# Altium PCB BLDC-2020.PcbDoc (part 2 of 2) (continued)
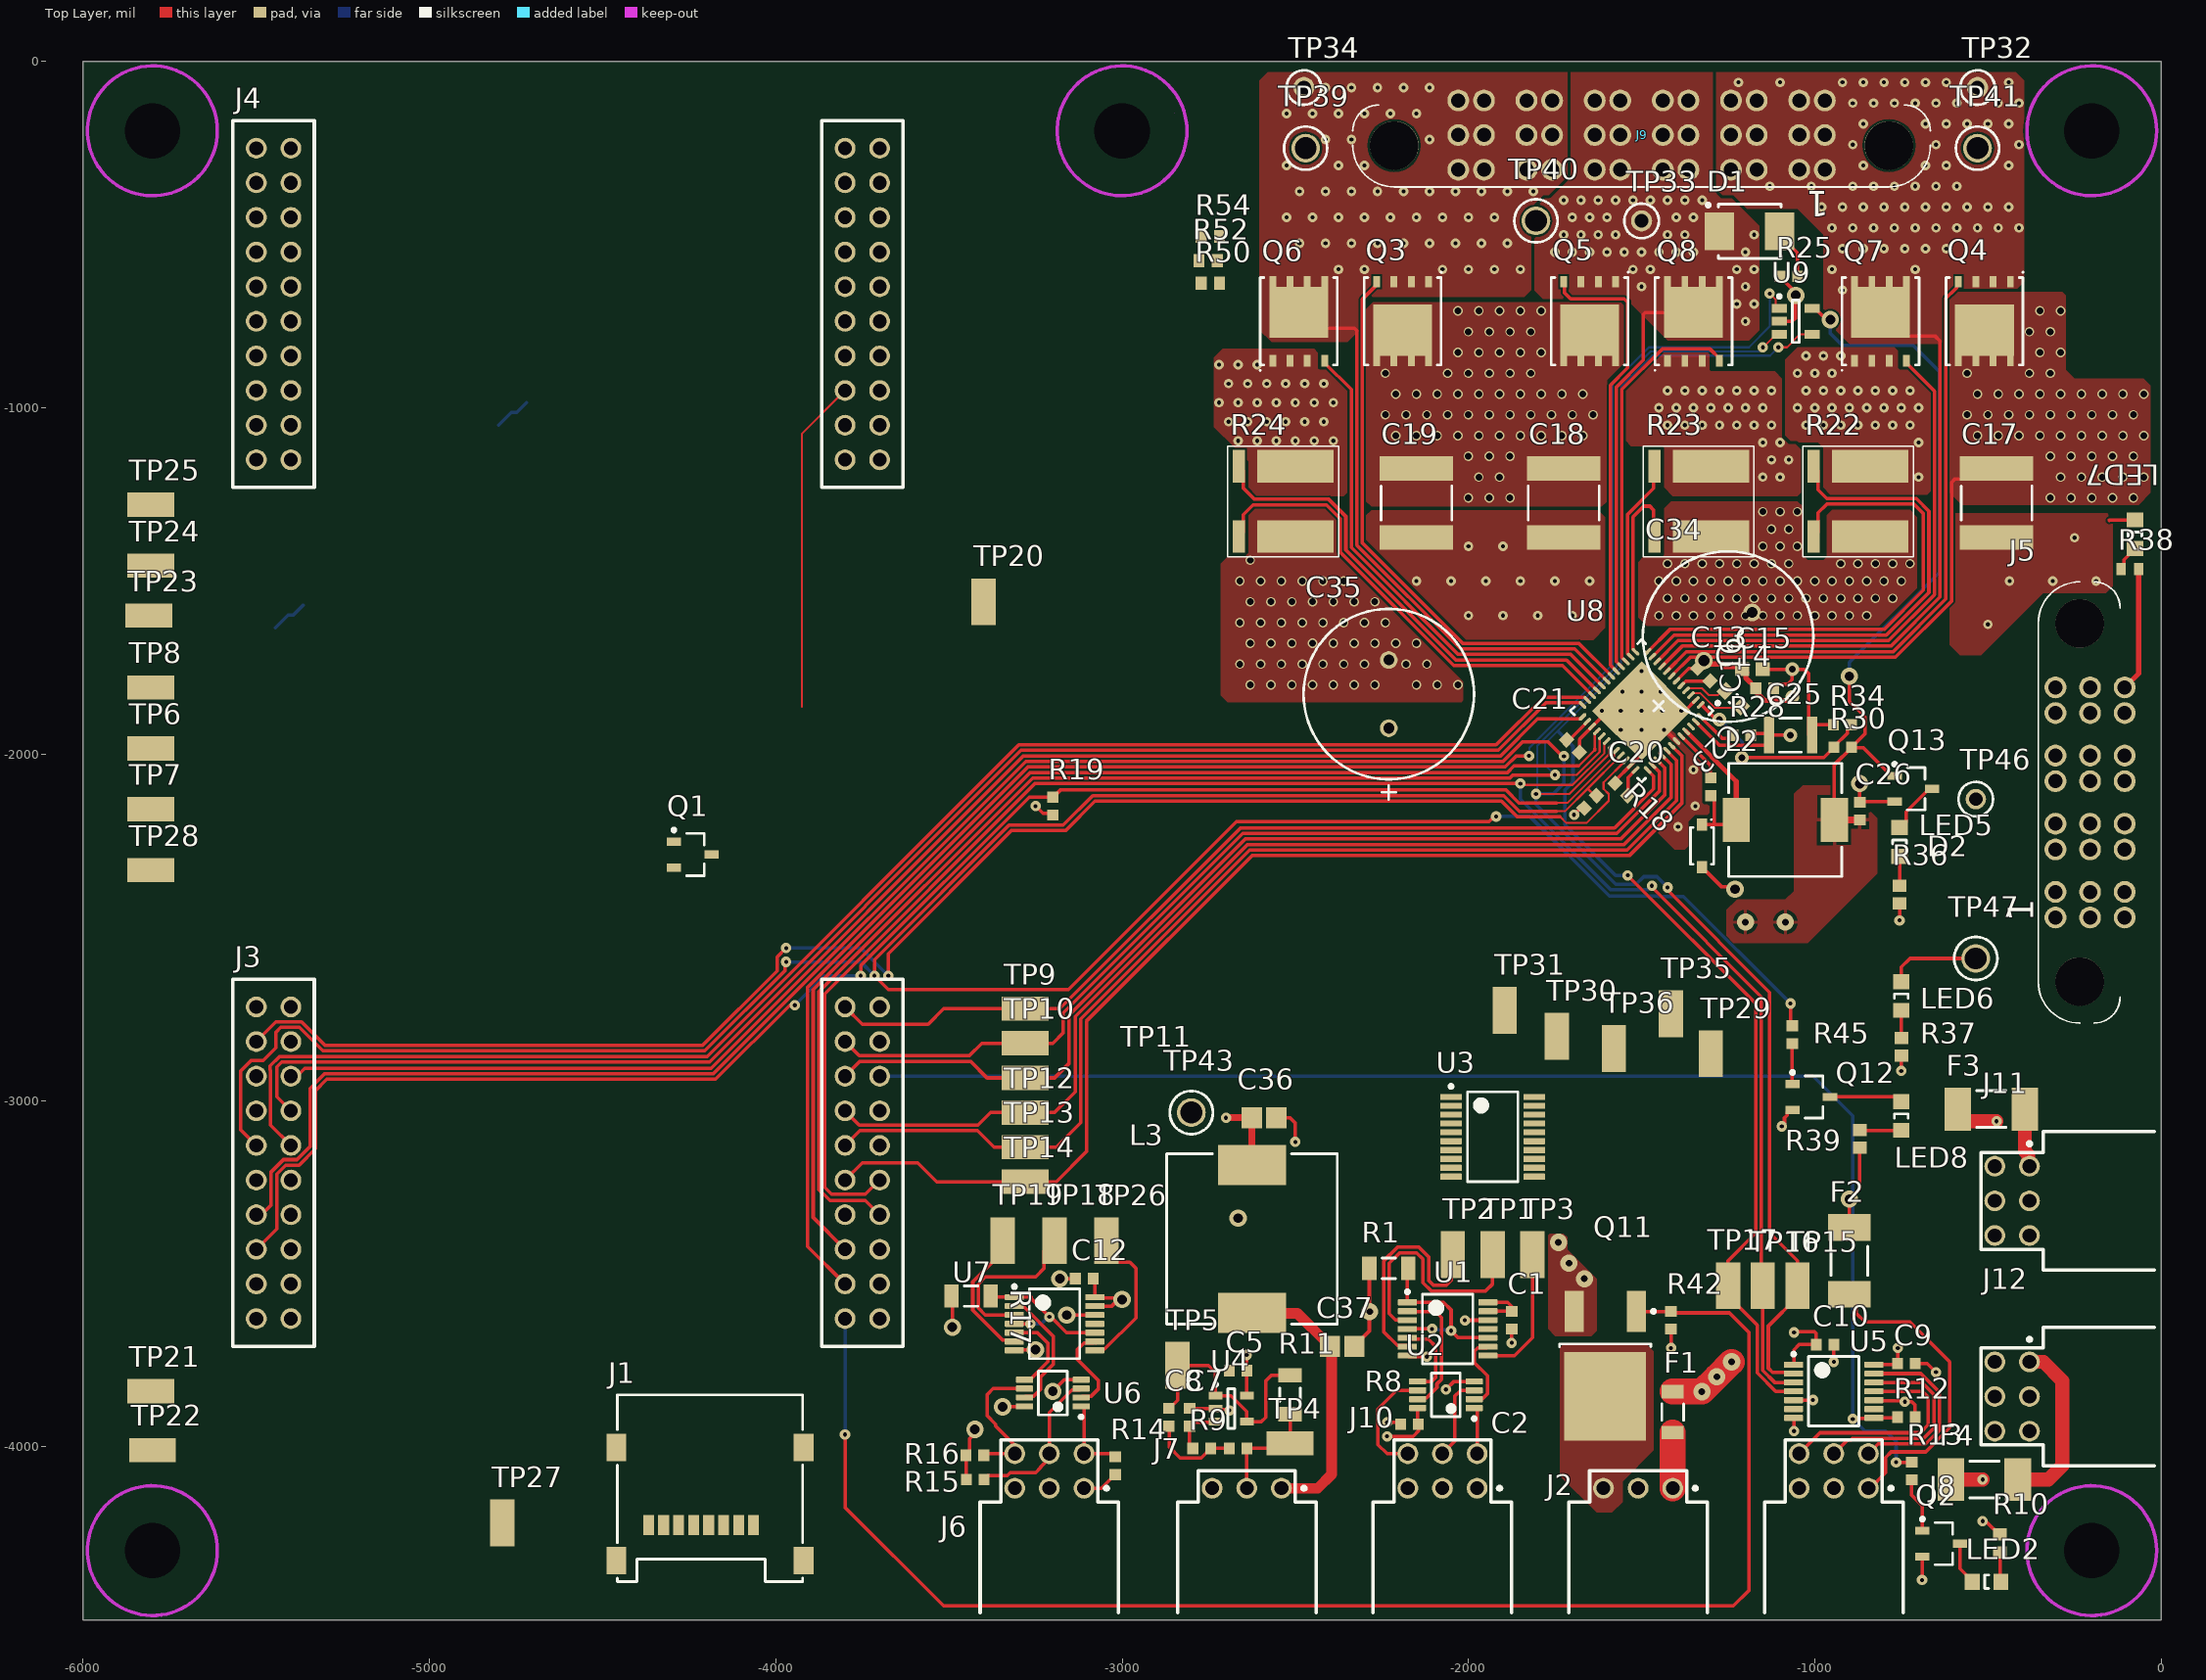
[diagram p0: Top Layer view]
## Nets (pads, with @x,y where several pads share a name; then routed paths per layer and width w, separated by ;. In a path a pad name is that pad's centre, name@x,y a point inside that pad or via, vN(x,y) a via of type N, cw(c..) or ccw(c..) an arc to the next point about the centre after c; other vN are vias at no path point) (continued)
  Top Layer w10: J3.35@-3800,-3230 -3750,-3180 -3590,-3180 -3535,-3235 TP14.1@-3280,-3235 -3190,-3235 -3103,-3148 -3103,-2771.14 -2624.86,-2293 -1535.37,-2293 -1383,-2140.63 -1383,-2005.92 U8.42@-1413,-1975.92
NetC7_2: C7.2 R9.2 U4.3 | length 148.5
  Top Layer w10: R9.2@-2795.59,-4005 -2805,-3995.59 C7.2@-2805,-3940.59 -2794.25,-3929.84 -2732.72,-3929.84 U4.3@-2730.28,-3927.4
NetC8_1: C8.1 R8.2 R9.1 | length 259.4
  Top Layer w10: C8.1@-2865,-3940.59 -2864.02,-3940.59 -2864.02,-4000.98 -2832.27,-4032.73 -2772.14,-4032.73 R9.1@-2744.41,-4005 R8.2@-2690.59,-4005
NetC13_2: C13.2 U8.5 | length 79
  Top Layer w10: U8.5@-1385.16,-1801.92 -1385.05,-1801.92 -1371.92,-1788.79 -1312.6,-1788.79 C13.2@-1311.91,-1788.09
NetC14_1: C14.1 U8.3 | length 152.6
  Top Layer w6: U8.3@-1357.33,-1829.76 -1351.06,-1823.5 -1331.38,-1823.5 -1288.94,-1865.93 -1226.85,-1865.93 C14.1@-1225.46,-1864.54
NetC14_2: C14.2 U8.4 | length 116.4
  Top Layer w6: U8.4@-1371.25,-1815.84 -1364.98,-1809.58 -1325.42,-1809.58 -1305,-1830 -1280,-1830 C14.2@-1270,-1820
NetC20_2: C20.2 U8.36 | length 83.8
  Top Layer w10: C20.2@-1540,-2120 -1539.3,-2119.3 -1539.3,-2067.42 U8.36@-1517.4,-2045.51
NetC23_1: C23.1 D2.1 L2.1 U8.45 | length 512.3
  Top Layer w10: D2.1@-1325,-2202.99 -1290,-2202.99 ; C23.1@-1300,-2120 -1290,-2120 -1290,-2202.99 ; L2.1@-1226.73,-2190 -1239.72,-2202.99 -1290,-2202.99
  Top Layer w13: U8.45@-1371.25,-1934.16 -1226.73,-2078.67
  Top Layer w15: L2.1@-1226.73,-2190 -1226.73,-2078.67
NetC23_2: C23.2 U8.44 | length 156.6
  Top Layer w10: U8.44@-1385.16,-1948.08 -1300.98,-2032.26 -1300.98,-2068.82 C23.2@-1300,-2068.82
NetC24_1: C24.1 U10.1
NetC24_2: C24.2 D3.2 L1.1 U10.10
NetC31_2: C31.2 U10.4
NetC32_2: C32.2 R33.2
NetC33_2: C33.2 R33.1 U10.8
NetC37_2: C37.2 J7.1 L3.2 | length 799.2
  Top Layer w30: L3.2@-2625,-3613.58 -2623.58,-3615 -2494.02,-3615 -2400,-3709.02 C37.2@-2400,-3710 -2395,-3715 -2395,-4080 -2435,-4120 J7.1@-2540,-4120
NetD1_2: D1.2 R25.1 | length 151.4
  Top Layer w10: D1.2@-1100.98,-490 -1100.98,-501.5 -1050,-552.48 -1050,-619.41 R25.1@-1049.41,-620
NetF1_1: F1.1 J2.1 | length 160.9
  Top Layer w75: J2.1@-1410,-4120 F1.1@-1410,-3959.06
NetF2_1: F2.1 J8.1 | length 914.8
  Top Layer w10: F2.1@-900,-3560 -880,-3580 -880,-3615 -855,-3640 -725,-3640 -610,-3755 -610,-3945.25 -679.75,-4015 -779.14,-4015 -795,-4030.86 -795,-4075 -840,-4120 J8.1@-845,-4120
NetF3_1: F3.1 J11.1 | length 170.5
  Top Layer w40: F3.1@-393.35,-3025 -393.35,-3147.01 -383.83,-3156.53 -383.83,-3186.17 J11.1@-380,-3190
NetF4_1: F4.1 J12.1 | length 537.7
  Top Layer w40: F4.1@-413.35,-4125 F4.1@-413.35,-4095 -325,-4095 -285,-4055 -285,-3810 -340,-3755 J12.1@-380,-3755
NetJ1_1: J1.1 R7.1
NetJ1_8: J1.8 R6.1
NetJ2_3: J2.3 Q11.4
NetLED1_1: LED1.1 Q1.D
NetLED1_2: LED1.2 R2.1
NetLED2_1: LED2.1 Q2.D | length 124.9
  Top Layer w10: Q2.D@-580.87,-4280 -580.87,-4352.17 -545,-4388.03 LED2.1@-545,-4390
NetLED2_2: LED2.2 R10.1 | length 86.1
  Top Layer w10: R10.1@-465,-4305 -465,-4387.32 LED2.2@-462.32,-4390
NetLED3_1: LED3.1 Q10.2
NetLED3_2: LED3.2 R35.2
NetLED4_1: LED4.1 Q9.6
NetLED4_2: LED4.2 R40.1
NetLED5_1: LED5.1 Q13.D | length 157.7
  Top Layer w10: LED5.1@-755,-2212.32 -753.03,-2212.32 -736.38,-2195.67 -736.38,-2166.65 -669.72,-2100 Q13.D@-660.87,-2100
NetLED5_2: LED5.2 R36.1 | length 85
  Top Layer w10: R36.1@-755,-2380 LED5.2@-755,-2295
NetLED6_2: LED6.2 R37.1 | length 79.4
  Top Layer w10: R37.1@-750,-2819.41 LED6.2@-750,-2740
NetLED7_2: LED7.2 R38.1 | length 75.5
  Top Layer w10: R38.1@-115.59,-1465 -106.81,-1456.22 -106.81,-1438.15 LED7.2@-75,-1406.34
NetLED8_1: LED8.1 Q12.D | length 211.5
  Top Layer w10: Q12.D@-955.87,-2990 -763.66,-2990 LED8.1@-750,-3003.66
NetLED8_2: LED8.2 R39.1 | length 120.6
  Top Layer w10: R39.1@-870,-3085 -868.66,-3086.34 LED8.2@-750,-3086.34
NetLED9_1: LED9.1 R46.1
NetLED9_2: LED9.2 Q9.4
NetQ1_G: Q1.G R3.2
NetQ2_G: Q2.G R13.2 | length 171.6
  Top Layer w10: R13.2@-720,-4095.59 -720,-4140 -690,-4170 -690,-4234.61 -697.99,-4242.6 Q2.G@-689.13,-4242.6
NetQ6_S: Q6.S R24.1
  other v1: -2665,-1095 -2610,-1095 -2555,-1095 -2500,-1095 -2445,-1095 -2390,-1095 -2692.5,-1040 -2637.5,-1040 -2582.5,-1040 -2527.5,-1040 -2472.5,-1040 -2417.5,-1040 -2720,-985 -2665,-985 -2610,-985 -2555,-985 -2500,-985 -2445,-985 -2390,-985 -2692.5,-930 -2637.5,-930 -2582.5,-930 -2527.5,-930 -2472.5,-930 -2417.5,-930 -2720,-875 -2665,-875 -2610,-875
NetQ7_S: Q7.S R22.1
  other v1: -700,-1200 -700,-1100 -1025,-1050 -975,-1050 -925,-1050 -875,-1050 -825,-1050 -775,-1050 -725,-1050 -1050,-1000 -1000,-1000 -950,-1000 -900,-1000 -850,-1000 -800,-1000 -750,-1000 -700,-1000 -1025,-950 -975,-950 -925,-950 -875,-950 -825,-950 -775,-950 -725,-950 -1050,-900 -1000,-900 -950,-900 -1025,-850 -975,-850 -925,-850
NetQ8_S: Q8.S R23.1
  other v1: -1150,-1200 -1100,-1200 -1125,-1150 -1075,-1150 -1150,-1100 -1100,-1100 -1425,-1050 -1375,-1050 -1325,-1050 -1275,-1050 -1225,-1050 -1175,-1050 -1125,-1050 -1450,-1000 -1400,-1000 -1350,-1000 -1300,-1000 -1250,-1000 -1200,-1000 -1150,-1000 -1425,-950 -1375,-950 -1325,-950 -1275,-950 -1225,-950 -1175,-950 -1125,-950
NetQ9_2: Q9.2 R43.2
NetQ9_5: Q9.5 R41.2
NetQ10_1: Q10.1 R44.1
NetQ12_G: Q12.G R45.2 | length 117.4
  Top Layer w10: R45.2@-1065,-2835.59 -1065,-2951.73 Q12.G@-1064.13,-2952.6
NetR1_2: R1.2 U1.1 U1.4 U1.10 | length 537.2
  Top Layer w10: U1.4@-2176.14,-3660 v4(-2105,-3660) ; R1.2@-2173.9,-3485 -2176.14,-3487.24 U1.1@-2176.14,-3583.23 -2071.77,-3583.23 -2050,-3605 v4(-2050,-3665) -2030.34,-3684.66 -1944.79,-3684.66 U1.10@-1943.86,-3685.59
  Bottom Layer w10: v4(-2105,-3660) -2102.5,-3662.5 -2052.5,-3662.5 v4(-2050,-3665)
NetR3_1: R3.1 R4.2 U3.10
NetR17_2: R17.2 U7.1 U7.4 U7.10 | length 456.7
  Top Layer w10: R17.2@-3380,-3565 -3376.77,-3568.23 U7.1@-3311.14,-3568.23 -3262.68,-3568.23 -3262.68,-3572.32 v8(-3210,-3625) -3205.91,-3625 -3160.32,-3670.59 U7.10@-3078.86,-3670.59 ; U7.4@-3311.14,-3645 v8(-3265,-3645)
  Bottom Layer w10: v8(-3265,-3645) -3264.59,-3644.59 -3232.84,-3644.59 -3213.25,-3625 v8(-3210,-3625)
NetR27_1: R27.1 R32.2 U10.7
NetR28_2: R28.2 U8.48 | length 124.8
  Top Layer w10: U8.48@-1329.49,-1892.4 -1266.89,-1955 -1245.59,-1955 R28.2@-1235.59,-1945 R28.2@-1235,-1944.41
NetR29_1: R29.1 U10.6
NetR30_1: R30.1 R34.2 U8.1 | length 583.7
  Top Layer w10: U8.1@-1329.49,-1857.6 -1323.5,-1851.61 -1323.5,-1861.5 -1285,-1900 v10(-1275,-1900) ; v10(-1210,-2010) -974.02,-2010 -945,-1980.98 R30.1@-945,-1980 -945,-1979.02 -905.16,-1939.17 -905.16,-1925.75 R34.2@-894.41,-1915
  Bottom Layer w10: v10(-1275,-1900) -1210,-1965 v10(-1210,-2010)
NetR31_2: R31.2 U10.5
NetU1_2: U1.2 U2.7 | length 383
  Top Layer w10: U1.2@-2176.14,-3608.82 -2174.96,-3610 -2095,-3610 -2078,-3627 -2078,-3805.63 -2091,-3818.63 -2091,-3829.39 -2120.55,-3858.94 -2142.83,-3858.94 U2.7@-2146.69,-3862.8
NetU1_5: U1.5 U2.5 | length 238.6
  Top Layer w10: U1.5@-2176.14,-3685.59 -2172.28,-3689.45 -2115.55,-3689.45 -2094,-3711 -2094,-3799 -2106.61,-3811.61 U2.5@-2146.69,-3811.61
NetU1_9: U1.9 U2.2 | length 226.8
  Top Layer w10: U2.2@-1983.31,-3862.8 -1961.02,-3862.8 -1945,-3846.78 -1945,-3795 -1982.42,-3757.58 -1982.42,-3724.5 -1972.96,-3715.04 -1947.72,-3715.04 U1.9@-1943.86,-3711.18
NetU6_2: U6.2 U7.9 | length 264.8
  Top Layer w10: U6.2@-3118.31,-3857.8 -3114.45,-3853.94 -3088.94,-3853.94 -3069.14,-3834.14 -3069.14,-3807.5 -3130,-3746.64 -3130,-3720 -3110.04,-3700.04 -3082.72,-3700.04 U7.9@-3078.86,-3696.18 U7.9@-3075,-3700.04
NetU6_5: U6.5 U7.5 | length 252.6
  Top Layer w10: U7.5@-3311.14,-3670.59 -3244.41,-3670.59 -3214,-3701 -3214,-3754.67 -3265.94,-3806.61 U6.5@-3281.69,-3806.61
NetU6_7: U6.7 U7.2 | length 373.4
  Top Layer w10: U7.2@-3311.14,-3593.82 -3307.28,-3597.68 -3282.04,-3597.68 -3198,-3681.72 -3198,-3761.3 -3236,-3799.3 -3236,-3834.39 -3255.55,-3853.94 -3277.83,-3853.94 U6.7@-3281.69,-3857.8
nFault: J3.33 J4.33 R21.1 R41.1 TP27.1 TP38.1 U8.28 | length 4353.9
  Top Layer w6: -3925,-1863.91 -3925,-1075 J4.33@-3800,-950 ; -1681.17,-2034 -1635.02,-1987.85 ; -1635.02,-1985.02 -1635.02,-1940.42 U8.28@-1628.75,-1934.16
  Top Layer w10: J3.33@-3800,-3430 -3892,-3338 -3892,-2680.03 -3264.97,-2053 -1886.94,-2053 -1867.94,-2034 -1681.17,-2034 ; -1635.02,-1987.85 -1635.02,-1985.02 ; U8.28@-1628.75,-1934.27 U8.28@-1628.75,-1934.16
PHASE_A: J9.1 J9.2 J9.3 J9.4 J9.5 J9.6 J9.7 J9.8 J9.9 J9.10 J9.11 J9.12 Q4.S Q7.D R50.2 TP32.1 U8.9 | length 1830.7
  Top Layer w10: U8.9@-1440.84,-1746.25 -1382.6,-1688 -780.12,-1688 -638.31,-1546.2 -638.31,-806.69 -651.77,-793.23 -741.18,-793.23 Q7.D@-810,-724.41
  other v1: -920,-660 -950,-600 -710,-600 -920,-540 -860,-540 -800,-540 -740,-540 -680,-540 -620,-540 -950,-480 -890,-480 -830,-480 -770,-480 -710,-480 -650,-480 -590,-480 -530,-480 -470,-480 -410,-480 -980,-420 -920,-420 -860,-420 -800,-420 -740,-420 -680,-420 -620,-420 -560,-420 -500,-420 -440,-420 -1130,-360 -1010,-360 -890,-360 -830,-360 -770,-360 -710,-360 -650,-360 -590,-360 -860,-300 -680,-300 -620,-300 -440,-300 -890,-240 -650,-240 -410,-240 -860,-180 -680,-180 -620,-180 -560,-180 -500,-180 -440,-180 -890,-120 -830,-120 -770,-120 -710,-120 -650,-120 -590,-120 -470,-120 -410,-120 -1220,-60 -1100,-60 -920,-60 -860,-60 -800,-60 -740,-60 -680,-60 -620,-60 -440,-60
PHASE_B: D1.1 J9.13 J9.14 J9.15 J9.16 J9.17 J9.18 J9.19 J9.20 J9.21 J9.22 J9.23 J9.24 Q5.S Q8.D R52.2 TP33.1 U8.16 | length 1201.1
  Top Layer w10: U8.16@-1559.16,-1746.25 -1559.16,-1746.13 -1573,-1732.29 -1573,-940.37 -1495,-862.37 -1495,-730.86 -1489.14,-725 -1350.59,-725 Q8.D@-1350,-724.41
  other v1: -1200,-750 -1225,-700 -1175,-700 -1500,-650 -1200,-650 -1525,-600 -1475,-600 -1225,-600 -1175,-600 -1750,-550 -1700,-550 -1650,-550 -1600,-550 -1550,-550 -1500,-550 -1450,-550 -1400,-550 -1350,-550 -1200,-550 -1725,-500 -1675,-500 -1625,-500 -1575,-500 -1425,-500 -1375,-500 -1175,-500 -1700,-450 -1650,-450 -1600,-450 -1400,-450 -1350,-450 -1725,-400 -1675,-400 -1625,-400 -1575,-400 -1525,-400 -1475,-400 -1425,-400 -1375,-400 -1325,-400
PHASE_C: J9.25 J9.26 J9.27 J9.28 J9.29 J9.30 J9.31 J9.32 J9.33 J9.34 J9.35 J9.36 Q3.S Q6.D R54.2 TP34.1 U8.19 | length 1692.7
  Top Layer w10: Q6.D@-2490,-724.41 -2444.41,-770 -2329,-770 -2322,-777 -2322,-1396.75 -2022.75,-1696 -1692.92,-1696 U8.19@-1600.92,-1788
  other v1: -2375,-600 -2300,-600 -2075,-600 -2000,-600 -1925,-600 -1850,-600 -2487.5,-525 -2412.5,-525 -2337.5,-525 -2262.5,-525 -2187.5,-525 -2112.5,-525 -2037.5,-525 -1962.5,-525 -1887.5,-525 -2525,-450 -2450,-450 -2375,-450 -2300,-450 -2225,-450 -2150,-450 -2075,-450 -2000,-450 -1925,-450 -2487.5,-375 -2412.5,-375 -2337.5,-375 -2262.5,-375 -2187.5,-375 -2112.5,-375 -2037.5,-375 -1962.5,-375 -1887.5,-375 -1812.5,-375 -2525,-300 -2375,-300 -2300,-300 -2412.5,-225 -2337.5,-225 -2112.5,-225 -2525,-150 -2450,-150 -2375,-150 -2300,-150 -2225,-150 -2150,-150 -2412.5,-75 -2337.5,-75 -2262.5,-75 -2187.5,-75 -2112.5,-75
SA_N: R22.4 U8.12 | length 1520.2
  Top Layer w10: U8.12@-1482.6,-1704.49 -1418.11,-1640 -800,-1640 -686.31,-1526.31 -686.31,-1305 -713.31,-1278 -965,-1278 -990.28,-1303.28 -990.28,-1359.06 R22.4@-1002.8,-1371.57 R22.4@-1002.8,-1341.85
SA_P: R22.2 U8.11 | length 1558.5
  Top Layer w10: U8.11@-1468.68,-1718.41 -1406.28,-1656 -793.37,-1656 -670.31,-1532.94 -670.31,-1298.37 -706.69,-1262 -965,-1262 -990.28,-1236.72 -990.28,-1180.94 R22.2@-1002.8,-1168.43 R22.2@-1002.8,-1198.15
SB_N: R23.4 U8.13 | length 547.6
  Top Layer w10: U8.13@-1517.4,-1704.49 -1525,-1696.89 -1525,-1315 -1493.86,-1283.86 -1476.14,-1283.86 -1465,-1295 -1465,-1369.37 R23.4@-1462.8,-1371.58
SB_P: R23.2 U8.14 | length 586.4
  Top Layer w10: U8.14@-1531.32,-1718.41 -1541,-1708.72 -1541,-1308.37 -1465,-1232.37 -1465,-1170.63 R23.2@-1462.8,-1168.42
SC_N: R24.4 U8.22 | length 1372.1
  Top Layer w10: R24.4@-2662.8,-1371.58 -2650.28,-1359.06 -2650.28,-1308.28 -2622,-1280 -2410,-1280 -2370,-1320 -2370,-1416.63 -2042.63,-1744 -1728.44,-1744 U8.22@-1642.67,-1829.76
SC_P: R24.2 U8.21 | length 1388.6
  Top Layer w10: R24.2@-2662.8,-1168.42 -2650.28,-1180.94 -2650.28,-1231.72 -2618,-1264 -2403.37,-1264 -2354,-1313.37 -2354,-1410 -2036,-1728 -1716.6,-1728 U8.21@-1628.75,-1815.84
SOA: J3.23 TP8.1 U8.25 | length 4159.3
  Top Layer w10: J3.23@-5400,-2930 -5383,-2930 -5360,-2907 -5322,-2907 -4302,-2907 -4186.85,-2907 -3284.85,-2005 -1906.83,-2005 -1800.38,-1898.55 -1676.67,-1898.55 U8.25@-1670.51,-1892.4
SOB: J3.24 TP7.1 U8.24 | length 4352.2
  Top Layer w10: J3.24@-5400,-3030 -5441,-2989 -5441,-2903.63 -5426.37,-2889 -4191.48,-2889 -3291.48,-1989 -1913.45,-1989 -1775.87,-1851.42 -1676.7,-1851.42 U8.24@-1670.51,-1857.6
SOC: J3.25 TP6.1 U8.23 | length 4502.6
  Top Layer w10: J3.25@-5400,-3130 -5459,-3071 -5459,-2913.02 -5460,-2912.02 -5460,-2900 -5433,-2873 -4198.11,-2873 -3298.11,-1973 -1920.08,-1973 -1782.5,-1835.42 -1664.86,-1835.42 U8.23@-1656.59,-1843.68
SPI_1_CLK: J1.5 J3.34 J4.32 TP20.1
SPI_1_MISO: J1.7 J3.9 J4.14 R47.1 TP21.1
SPI_1_MOSI: J1.3 J3.10 J4.15 TP22.1
SPI_CLK: J3.7 TP15.1 U5.2 U8.31 U9.3 | length 8964.2
  Top Layer w6: v4(-1805,-2115) -1708.43,-2115 -1593.26,-1999.83 -1593.26,-1982.18 U8.31@-1587,-1975.92 ; v4(-1150,-825) -1148.7,-825 -1111.1,-787.4 U9.3@-1102.24,-787.4
  Top Layer w10: J3.7@-5500,-3330 -5490.43,-3320.43 -5475.43,-3320.43 -5457,-3302 -5457,-3206.39 -5421.61,-3171 -5383.02,-3171 -5345,-3132.98 -5345,-2965 -5303,-2923 -4180.23,-2923 -3278.23,-2021 -1900.2,-2021 -1843.2,-1964 -1771,-1964 -1729,-2006 v4(-1724,-2006) ; v4(-1425,-2385) -1425,-2393 -1130,-2688 -1130,-3382.48 -1050,-3462.48 TP15.1@-1050,-3535 -1050,-3567.48 -1134,-3651.48 -1134,-3773.37 -1122.41,-3784.96 -1065,-3784.96 U5.2@-1061.14,-3788.82
  Bottom Layer w6: v4(-1805,-2115) -1801,-2111 -1801,-1975.09 -1572,-1746.09 -1572,-935.03 -1473.97,-837 -1162,-837 v4(-1150,-825)
  Bottom Layer w10: v4(-1724,-2006) -1724,-2084 -1755,-2115 v4(-1805,-2115) -1805,-2145 -1574,-2376 -1516,-2376 -1494,-2354 -1456,-2354 v4(-1425,-2385)
SPI_MISO: J3.14 R48.1 TP17.1 U5.4 U8.29 U9.4 | length 7526.9
  Top Layer w6: v4(-1750,-2060) -1687.37,-2060 -1621.02,-1993.65 -1621.02,-1979.22 -1621.1,-1979.14 -1621.1,-1954.34 U8.29@-1614.84,-1948.08 ; v4(-1105,-825) -1080,-825 -1042.4,-787.4 U9.4@-1007.76,-787.4
  Top Layer w10: J3.14@-3700,-3330 -3741,-3289 -3843.63,-3289 -3875,-3257.63 -3875,-2685.66 -3258.34,-2069 -1880.32,-2069 -1871.32,-2060 v4(-1750,-2060) ; v4(-1540,-2350) -1170,-2720 -1170,-3382.48 -1250,-3462.48 TP17.1@-1250,-3535 -1250,-3565 -1166,-3649 -1166,-3786.63 -1112.63,-3840 U5.4@-1061.14,-3840
  Bottom Layer w6: v4(-1750,-2060) -1779,-2031 -1779,-1970.06 -1560,-1751.06 -1560,-940 -1469,-849 -1129,-849 v4(-1105,-825)
  Bottom Layer w10: -1740.56,-1934.44 -1698,-1977 -1698,-2080.63 -1721,-2103.63 -1721,-2204 -1575,-2350 v4(-1540,-2350)
SPI_MOSI: J3.15 TP16.1 U5.3 U8.30 | length 5499.2
  Top Layer w6: v4@-1849,-2089 -1699.4,-2089 -1607.18,-1996.78 -1607.18,-1968.26 U8.30@-1600.92,-1962
  Top Layer w10: J3.15@-3700,-3230 -3741,-3271 -3839,-3271 -3859,-3251 -3859,-2692.28 -3251.72,-2085 v4(-1850,-2085) v4@-1849,-2089 ; v4(-1470,-2380) -1470,-2384.77 -1154,-2700.77 -1154,-3531 TP16.1@-1150,-3535 -1150,-3780 -1115.59,-3814.41 U5.3@-1061.14,-3814.41
  Bottom Layer w10: v4(-1850,-2085) -1850,-2130 -1588,-2392 -1482,-2392 v4(-1470,-2380)
Throttle: C8.2 J3.6 R11.2 TP5.1 U4.1 U4.4 | length 701
  Top Layer w10: C8.2@-2865,-3889.41 -2864.02,-3889.41 -2840,-3865.39 TP5.1@-2840,-3765 -2750,-3765 -2730.28,-3784.72 U4.1@-2730.28,-3852.6 -2730.23,-3852.64 -2685.75,-3852.64 -2640,-3898.39 -2640,-3927.13 U4.4@-2639.72,-3927.4 -2597.4,-3927.4 -2585,-3915 -2585,-3810 -2568.9,-3793.9 R11.2@-2515,-3793.9
"Throttle Raw": J7.2 R8.1 R11.1 TP4.1 | length 329.8
  Top Layer w10: J7.2@-2640,-4120 -2640,-4005.59 R8.1@-2639.41,-4005 -2530,-4005 TP4.1@-2515,-3990 R11.1@-2515,-3906.1
VBATT: C13.1 C15.2 C16.2 C17.2 C18.2 C19.2 C25.2 C29.2 C30.2 C34.1 C35.1 J5.P3-1 J5.P3-2 J5.P3-3 J5.P3-4 J5.P3-5 J5.P3-6 J5.P4-1 J5.P4-2 J5.P4-3 J5.P4-4 J5.P4-5 J5.P4-6 Q3.D Q4.D Q5.D R28.1 R38.2 R49.2 TP46.1 U8.6 U8.7 U8.47 U10.2 | length 2505
  Top Layer w6: C16.2@-1170,-1820 C16.2@-1170,-1810
  Top Layer w10: U8.7@-1413,-1774.08 -1358.92,-1720 -766.86,-1720 -605,-1558.14 -605,-1215 -596.02,-1206.02 -505.43,-1206.02 C17.2@-475,-1175.59 ; U8.6@-1399.08,-1788 -1363.68,-1752.6 -1338.79,-1752.6 C13.1@-1338.09,-1751.91 ; U8.47@-1343.41,-1906.32 -1343.3,-1906.32 -1274.61,-1975 -1147.01,-1975 ; R28.1@-1185,-1935 -1180,-1940 C25.2@-1132.01,-1940 ; C25.2@-1132.01,-1945 v10(-1070,-1945)
  Top Layer w15: C13.1@-1329.97,-1751.91 -1318.06,-1740 -1267.76,-1740 -1260.2,-1747.56 C15.2@-1216.97,-1747.56 ; C15.2@-1198.86,-1764.69 -1198.86,-1780.16 C16.2@-1170,-1809.02 ; C16.2@-1170,-1820 -1145,-1845 -1075,-1845 v10(-1065,-1835) ; J5.P4-6@-105,-1807.28 -64.41,-1766.69 R38.2@-64.41,-1465
  Top Layer w20: C13.1@-1338.09,-1751.91 C13.1@-1329.97,-1751.91 ; C15.2@-1216.97,-1747.56 C15.2@-1209.53,-1755 -1208.54,-1755 C15.2@-1198.86,-1764.69 ; C16.2@-1170,-1810 C16.2@-1170,-1809.02
  other v2: -2000,-1260 -1940,-1260 -1880,-1260 -320,-1260 -260,-1260 -200,-1260 -140,-1260 -80,-1260 -1970,-1200 -1910,-1200 -290,-1200 -230,-1200 -170,-1200 -110,-1200 -50,-1200 -2000,-1140 -1940,-1140 -1880,-1140 -320,-1140 -260,-1140 -200,-1140 -140,-1140 -80,-1140 -2210,-1080 -2150,-1080 -2090,-1080 -2030,-1080 -1970,-1080 -1910,-1080 -1850,-1080 -1790,-1080 -1730,-1080 -1670,-1080 -530,-1080 -470,-1080 -410,-1080 -350,-1080 -290,-1080 -230,-1080 -170,-1080 -110,-1080 -50,-1080 -2240,-1020 -2180,-1020 -2120,-1020 -2060,-1020 -2000,-1020 -1940,-1020 -1880,-1020 -1820,-1020 -1760,-1020 -1700,-1020 -1640,-1020 -560,-1020 -500,-1020 -440,-1020 -380,-1020 -320,-1020 -260,-1020 -200,-1020 -140,-1020 -80,-1020 -2210,-960 -2150,-960 -2090,-960 -2030,-960 -1970,-960 -1910,-960 -1850,-960 -1790,-960 -1730,-960 -1670,-960 -530,-960 -470,-960 -410,-960 -350,-960 -290,-960 -230,-960 -170,-960 -110,-960 -50,-960 -2240,-900 -2060,-900 -2000,-900 -1940,-900 -1880,-900 -1820,-900 -560,-900 -380,-900 -320,-900 -2030,-840 -1970,-840 -1910,-840 -1850,-840 -1790,-840 -350,-840 -290,-840 -2000,-780 -1940,-780 -1880,-780 -1820,-780 -380,-780 -320,-780 -2030,-720 -1970,-720 -1910,-720 -1850,-720 -1790,-720 -350,-720 -290,-720
  other v3: -6980,-4260 -6920,-4260 -6860,-4260 -7010,-4200 -6950,-4200 -6890,-4200 -6980,-4140 -6920,-4140 -6860,-4140 -7250,-4080 -7190,-4080 -7130,-4080 -7070,-4080 -7010,-4080 -6950,-4080 -6890,-4080 -6830,-4080 -6770,-4080 -6710,-4080 -6650,-4080 -7280,-4020 -7220,-4020 -7160,-4020 -7100,-4020 -7040,-4020 -6980,-4020 -6920,-4020 -6860,-4020 -6800,-4020 -6740,-4020 -6680,-4020 -6620,-4020 -7250,-3960 -7190,-3960 -7130,-3960 -7070,-3960 -7010,-3960 -6950,-3960 -6890,-3960 -6830,-3960 -6770,-3960 -6710,-3960 -6650,-3960 -7040,-3900 -6980,-3900 -6920,-3900 -6860,-3900 -6800,-3900 -7070,-3840 -7010,-3840 -6950,-3840 -6890,-3840 -6830,-3840 -6770,-3840 -7040,-3780 -6980,-3780 -6920,-3780 -6860,-3780 -6800,-3780
Voltage_A: C38.2 D4.1 J4.27 R50.1 R51.2 TP25.1
Voltage_B: C39.2 D5.1 J4.28 R52.1 R53.2 TP24.1
Voltage_C: C40.2 D6.1 J4.29 R54.1 R55.2 TP23.1
pads on no net: J2.2 J3.3 J3.4 J3.16 J3.17 J3.21 J4.1 J4.2 J4.3 J4.4 J4.5 J4.6 J4.7 J4.8 J4.9 J4.10 J4.11 J4.12 J4.13 J4.16 J4.17 J4.18 J4.19 J4.21 J4.22 J4.23 J4.24 J4.25 J4.26 J4.30 J4.31 J4.34 J5.None J6.2 J9.None J11.2 J12.2 U1.11 U5.6 U5.9 U7.11 U8.46 U10.3
copper on no net: | length 213.8
  Bottom Layer w10: -5445,-1635 -5408.28,-1598.28 -5393.28,-1598.28 -5365,-1570 ; -4800,-1050 -4763.28,-1013.28 -4748.28,-1013.28 -4720,-985
  other v5: -2665,-3340

## Polygon pours and split planes (outlines as drawn)
AGND on Top Layer "Top Layer-AGND 1" (solid, pour order 92): -1432.5,-1942.5 -1375,-2000 -1375,-2145 -1455,-2225 -1405,-2275 -1375,-2275 -1365,-2265 -1365,-2195 -1345,-2175 -1310,-2175 -1305,-2170 -1305,-2150 -1310,-2145 -1320,-2145 -1325,-2140 -1325,-2020 -1417.5,-1927.5
AGND on Top Layer "Top Layer-AGND 2" (solid, pour order 86): -520,-1715 -580,-1715 -610,-1685 -610,-1320 -595,-1305 -155,-1305 -140,-1320 -140,-1515 -160,-1535 -340,-1535
3.3V on Top Layer "Top Layer-3.3V" (solid, pour order 102): -820,-2185 -840,-2165 -890,-2165 -900,-2155 -900,-2120 -930,-2090 -1035,-2090 -1060,-2115 -1060,-2395 -1085,-2420 -1225,-2420 -1255,-2450 -1255,-2525 -1235,-2545 -1020,-2545 -820,-2345
AGND on Top Layer "Top Layer-AGND 3" (solid, pour order 98): -1645,-3680 -1630,-3665 -1630,-3515 -1715,-3430 -1715,-3395 -1725,-3385 -1765,-3385 -1770,-3390 -1770,-3660 -1750,-3680
NetJ2_3 on Top Layer "Top Layer-NetJ2_3" (solid, pour order 96): -1485,-3705 -1465,-3725 -1465,-4010 -1555,-4100 -1555,-4160 -1585,-4190 -1630,-4190 -1735,-4085 -1735,-3715 -1725,-3705
PHASE_B on Top Layer "Top Layer-PHASE_B" (solid, pour order 54): -1785,-685 -1545,-685 -1425,-805 -1190,-805 -1160,-775 -1160,-475 -1240,-395 -1270,-395 -1295,-370 -1295,-20 -1310,-5 -1700,-5 -1710,-15 -1710,-335 -1755,-380 -1785,-380 -1810,-405 -1810,-660
AGND on Top Layer "Top Layer-AGND" (solid, pour order 20): -1625,-1295 -1605,-1315 -1605,-1635 -1640,-1670 -2005,-1670 -2295,-1380 -2295,-1310 -2280,-1295
AGND on Top Layer "PhaseABGround" (solid, pour order 10): -1435,-1425 -1435,-1290 -1415,-1270 -1050,-1270 -1035,-1285 -1035,-1425 -1020,-1440 -975,-1440 -965,-1430 -965,-1310 -950,-1295 -725,-1295 -705,-1315 -705,-1520 -815,-1630 -1485,-1630 -1510,-1605 -1510,-1445 -1495,-1430 -1440,-1430
AGND on Top Layer "PhaseCGround" (solid, pour order 62): -2020,-1850 -2695,-1850 -2715,-1830 -2715,-1450 -2695.01,-1430.01 -2645,-1430 -2635,-1418.38 -2635,-1310 -2615,-1290 -2415,-1290 -2380,-1325 -2380,-1425 -2015,-1790 -2015,-1845
no net on Top Layer "Top Layer-No Net" (solid, pour order 90): -6390,-4985
VBATT on Top Layer "Top Layer-VBATT" (solid, pour order 24): -285,-665 -275,-675 -275,-890 -250,-915 -50,-915 -30,-935 -30,-1245 -65,-1280 -575,-1280 -610,-1245 -610,-685 -590,-665
VBATT on Top Layer "Top Layer-VBATT 1" (solid, pour order 18): -2295,-1270 -2280,-1285 -1615,-1285 -1600,-1270 -1600,-920 -1550,-870 -1550,-705 -1560,-695 -2275,-695 -2295,-715
PHASE_A on Top Layer "Top Layer-PHASE_A" (solid, pour order 56): -900,-815 -635,-815 -610,-790 -610,-685 -580,-655 -415,-655 -395,-635 -395,-55 -440,-10 -1270,-10 -1285,-25 -1285,-370.58 -1270.58,-385 -1240,-385 -1200,-425 -1050,-425 -975,-500 -975,-740
PHASE_C on Top Layer "Top Layer-PHASE_C" (solid, pour order 52): -2348.7,-810 -2308.7,-770 -2308.7,-700 -2288.7,-680 -1838.7,-680 -1818.7,-660 -1818.7,-420 -1783.7,-385 -1768.7,-385 -1715,-331.3 -1715,-21.58 -1726.58,-10 -2558.7,-10 -2603.7,-55 -2603.7,-775 -2568.7,-810
NetQ6_S on Top Layer "Top Layer-NetQ6_S" (solid, pour order 22): -2435,-885.83 -2435,-840 -2445,-830 -2502,-830 -2710,-830 -2735,-855 -2735,-1055 -2635,-1155 -2635,-1230 -2610,-1255 -2360,-1255 -2350,-1245 -2350,-950 -2410,-890 -2430,-890
NetQ7_S on Top Layer "Top Layer-NetQ7_S" (solid, pour order 16): -975,-1115 -975,-1230 -955,-1250 -675,-1250 -665,-1240 -665,-955 -730,-890 -755,-890 -760,-885 -760,-835 -770,-825 -1050,-825 -1085,-860 -1085,-1080 -1065,-1100 -990,-1100
NetQ8_S on Top Layer "Top Layer-NetQ8_S" (solid, pour order 12): -1050,-1255 -1040,-1245 -1040,-1120 -1055,-1105 -1075,-1105 -1095,-1085 -1095,-915 -1115,-895 -1300,-895 -1305,-890 -1305,-845 -1310,-840 -1435,-840 -1545,-950 -1545,-1095 -1530,-1110 -1440,-1110 -1435,-1115 -1435,-1230 -1410,-1255
PHASE_B on Bottom Layer "Top Layer-PHASE_B" (solid, pour order 8): -1785,-685 -1550,-685 -1425,-810 -1190,-810 -1160,-780 -1160,-480 -1240,-400 -1270,-400 -1295,-375 -1295,-25 -1310,-10 -1700,-10 -1710,-20 -1710,-340 -1755,-385 -1785,-385 -1810,-410 -1810,-660
PHASE_A on Bottom Layer "Top Layer-PHASE_A" (solid, pour order 4): -900,-815 -635,-815 -610,-790 -610,-685 -580,-655 -415,-655 -395,-635 -395,-55 -440,-10 -1270,-10 -1285,-25 -1285,-370.58 -1270.58,-385 -1240,-385 -1200,-425 -1005,-425 -975,-455 -975,-740
PHASE_C on Bottom Layer "Top Layer-PHASE_C" (solid, pour order 0): -2348.7,-810 -2308.7,-770 -2308.7,-700 -2288.7,-680 -1838.7,-680 -1818.7,-660 -1818.7,-420 -1783.7,-385 -1768.7,-385 -1715,-331.3 -1715,-21.58 -1726.58,-10 -2558.7,-10 -2603.7,-55 -2603.7,-775 -2568.7,-810
NetQ7_S on Bottom Layer "Top Layer-NetQ7_S" (solid, pour order 50): -975,-1115 -975,-1230 -955,-1250 -675,-1250 -665,-1240 -665,-955 -730,-890 -755,-890 -760,-885 -760,-835 -770,-825 -1050,-825 -1085,-860 -1085,-1080 -1065,-1100 -990,-1100
NetQ8_S on Bottom Layer "Top Layer-NetQ8_S" (solid, pour order 48): -1050,-1255 -1040,-1245 -1040,-1120 -1055,-1105 -1075,-1105 -1095,-1085 -1095,-915 -1115,-895 -1300,-895 -1305,-890 -1320,-875 -1470,-875 -1545,-950 -1545,-1095 -1530,-1110 -1440,-1110 -1435,-1115 -1435,-1230 -1410,-1255
NetQ6_S on Bottom Layer "Top Layer-NetQ6_S" (solid, pour order 46): -2435,-885.83 -2435,-840 -2445,-830 -2502,-830 -2710,-830 -2735,-855 -2735,-1055 -2635,-1155 -2635,-1230 -2610,-1255 -2360,-1255 -2350,-1245 -2350,-950 -2410,-890 -2430,-890
AGND on GND "GND-AGND" (solid, remove dead copper, pour order 82): -495,-4500 -397.22,-4402.22 -397.22,-4212.22 -285,-4100 -283.93,-4101.07 -31.07,-4101.07 5,-4070 5,-3035 -685,-3035 -820,-2900 -820,-2090 -1035,-1875 -1300,-1875 -1300,-1860 -1030,-1860 -805,-2085 -805,-2895 -680,-3020 -30,-3020 -30,-1905 -30,-118.7 -144.46,0 -2860,0 -2970,-110 -2970,-1820 -2939.82,-1850.18 -1715,-1855 -1655,-1855 -1650,-1860 -1650,-1875 -1655,-1880 -1680,-1880 -2975,-1880 -2995,-1860 -2995,-50 -3020,-25 -5950,-25 -5975,-50 -5960,-65 -5960,-4500 -4770,-4500
no net on GND "GND-No Net" (solid, pour order 78): -6215,-4895
AGND on GND "GND-AGND 1" (solid, pour order 64): -6730,-4875
3.3V on Power "3.3V" (solid, remove dead copper, pour order 100): -1050,-2420 -1035,-2435 -1035,-3675 -1065,-3705 -1315,-3705 -1450,-3840 -3390,-3840 -3565,-4015 -3565,-4500 -5960,-4500 -5975,-30 -5970,-25 -3015,-25 -2995,-45 -2995,-600 -3020,-625 -3045,-625 -3200,-780 -3200,-2030 -2810,-2420
VBATT on Power "Power-VBATT" (solid, remove dead copper, pour order 76): -65,-555 -30,-590 -30,-2095 -92.5,-2157.5 -315,-2160 -355,-2200 -355,-2330 -420,-2395 -465,-2395 -2825,-2395 -3190,-2030 -3190,-220 -3065,-95 -2104.99,-95 -1480,-720 -1480,-1610 -1460,-1630 -815,-1630 -680,-1495 -680,-635 -600,-555
5V on Power "Power-5V" (solid, remove dead copper, pour order 94): -1025,-2435 -1010,-2420 -370,-2420 -355,-2435 -355,-2495 -335,-2515 -30,-2515 -30,-4470 -3405,-4470 -3555,-4320 -3555,-4020 -3385,-3850 -1380,-3850 -1245.45,-3715.45 -1245,-3715.89 -1060.89,-3715.89 -1025,-3680

## Keep-outs
Top Layer:
  region: -2850,-150
Keep-Out Layer:
  circle w10: c-5800,-4300 r187.5
  circle w10: c-5800,-200 r187.5
  circle w10: c-200,-4300 r187.5
  circle w10: c-200,-200 r187.5
  circle w10: c-3000,-200 r187.5

## Other copper
Power:
  pour cut-out: -2060,-1830 -2040,-1810 -2040,-1750 -2310,-1480 -2705,-1480 -2720,-1495 -2720,-1805 -2695,-1830

## Silkscreen, mask and mechanical layers (free items; w line width, h text height)
Mechanical 1:
  lines w0: -3000,0 0,0
  lines w10: -6000,-4500 -6000,0 0,0 0,-4500 -6000,-4500

## Text inside footprints (layer, text, board x,y; h text height)
J2: Mechanical 1 "J1" at -1492.43,-4332 h30 r180
J3: Mechanical 1 "J1" at -5444.21,-3187.57 h30 r90; Mechanical 1 "J1" at -3744.21,-3187.57 h30 r90
J4: Mechanical 1 "J1" at -3744.21,-707.57 h30 r90; Mechanical 1 "J1" at -5444.21,-707.57 h30 r90
J5: Top Overlay "1" at -367.88,-2483.47 h73.82 r90
J6: Mechanical 1 "J1" at -3192.43,-4332 h30 r180
J7: Mechanical 1 "J1" at -2622.43,-4332 h30 r180
J8: Mechanical 1 "J1" at -927.43,-4332 h30 r180
J9: Top Overlay "1" at -959.67,-374.53 h73.82 r180
J10: Mechanical 1 "J1" at -2057.43,-4332 h30 r180
J11: Mechanical 1 "J1" at -168,-3272.43 h30 r270
J12: Mechanical 1 "J1" at -168,-3837.43 h30 r270